# Altium PCB Main.PcbDoc
Units mil, origin at the board's own origin, x right, y up, seen from the top; angles counter-clockwise.
Board outline 2000 x 2350 mil, 2 copper layers (Top Layer, Bottom Layer); 16 components, 10 nets, 144 pads, 0 vias.
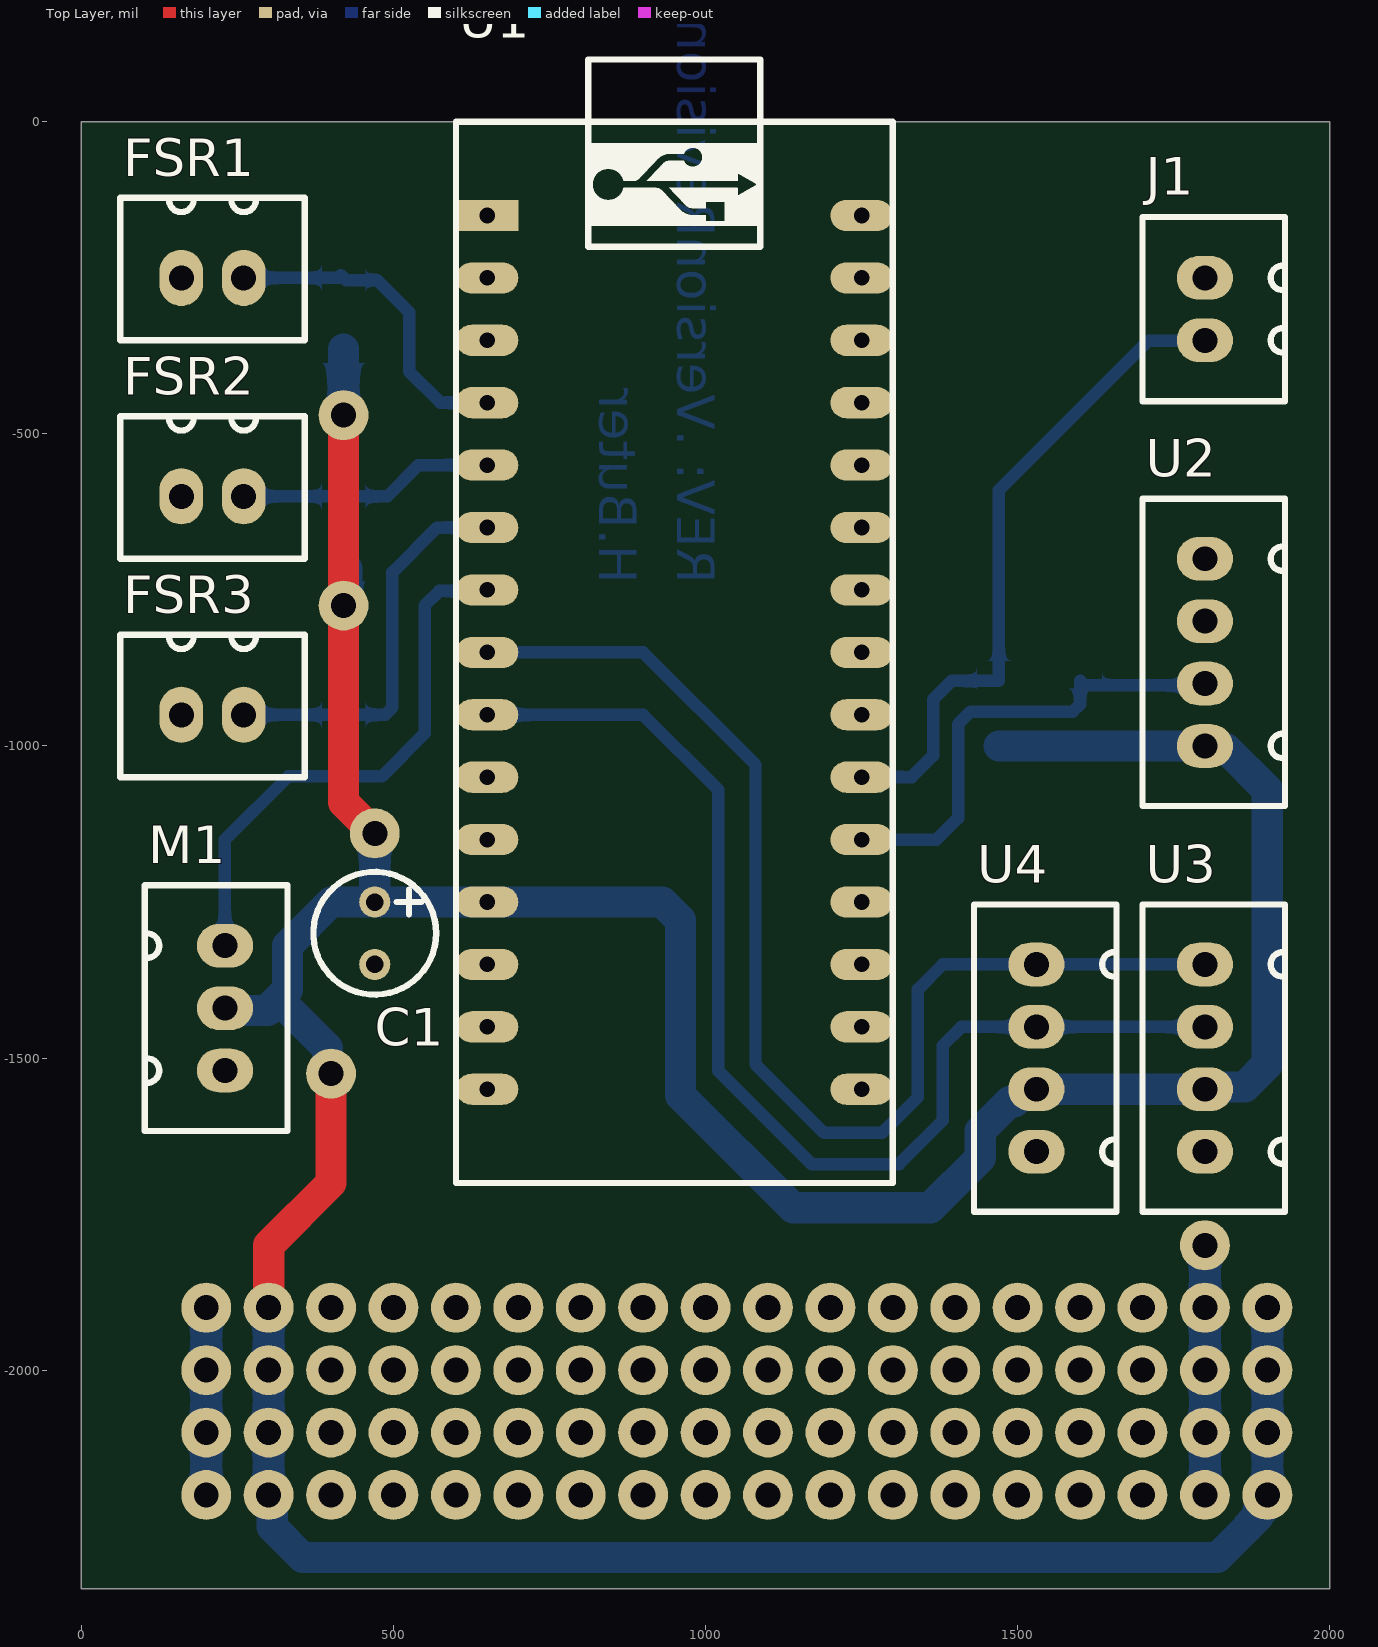
[diagram p0: Top Layer view]
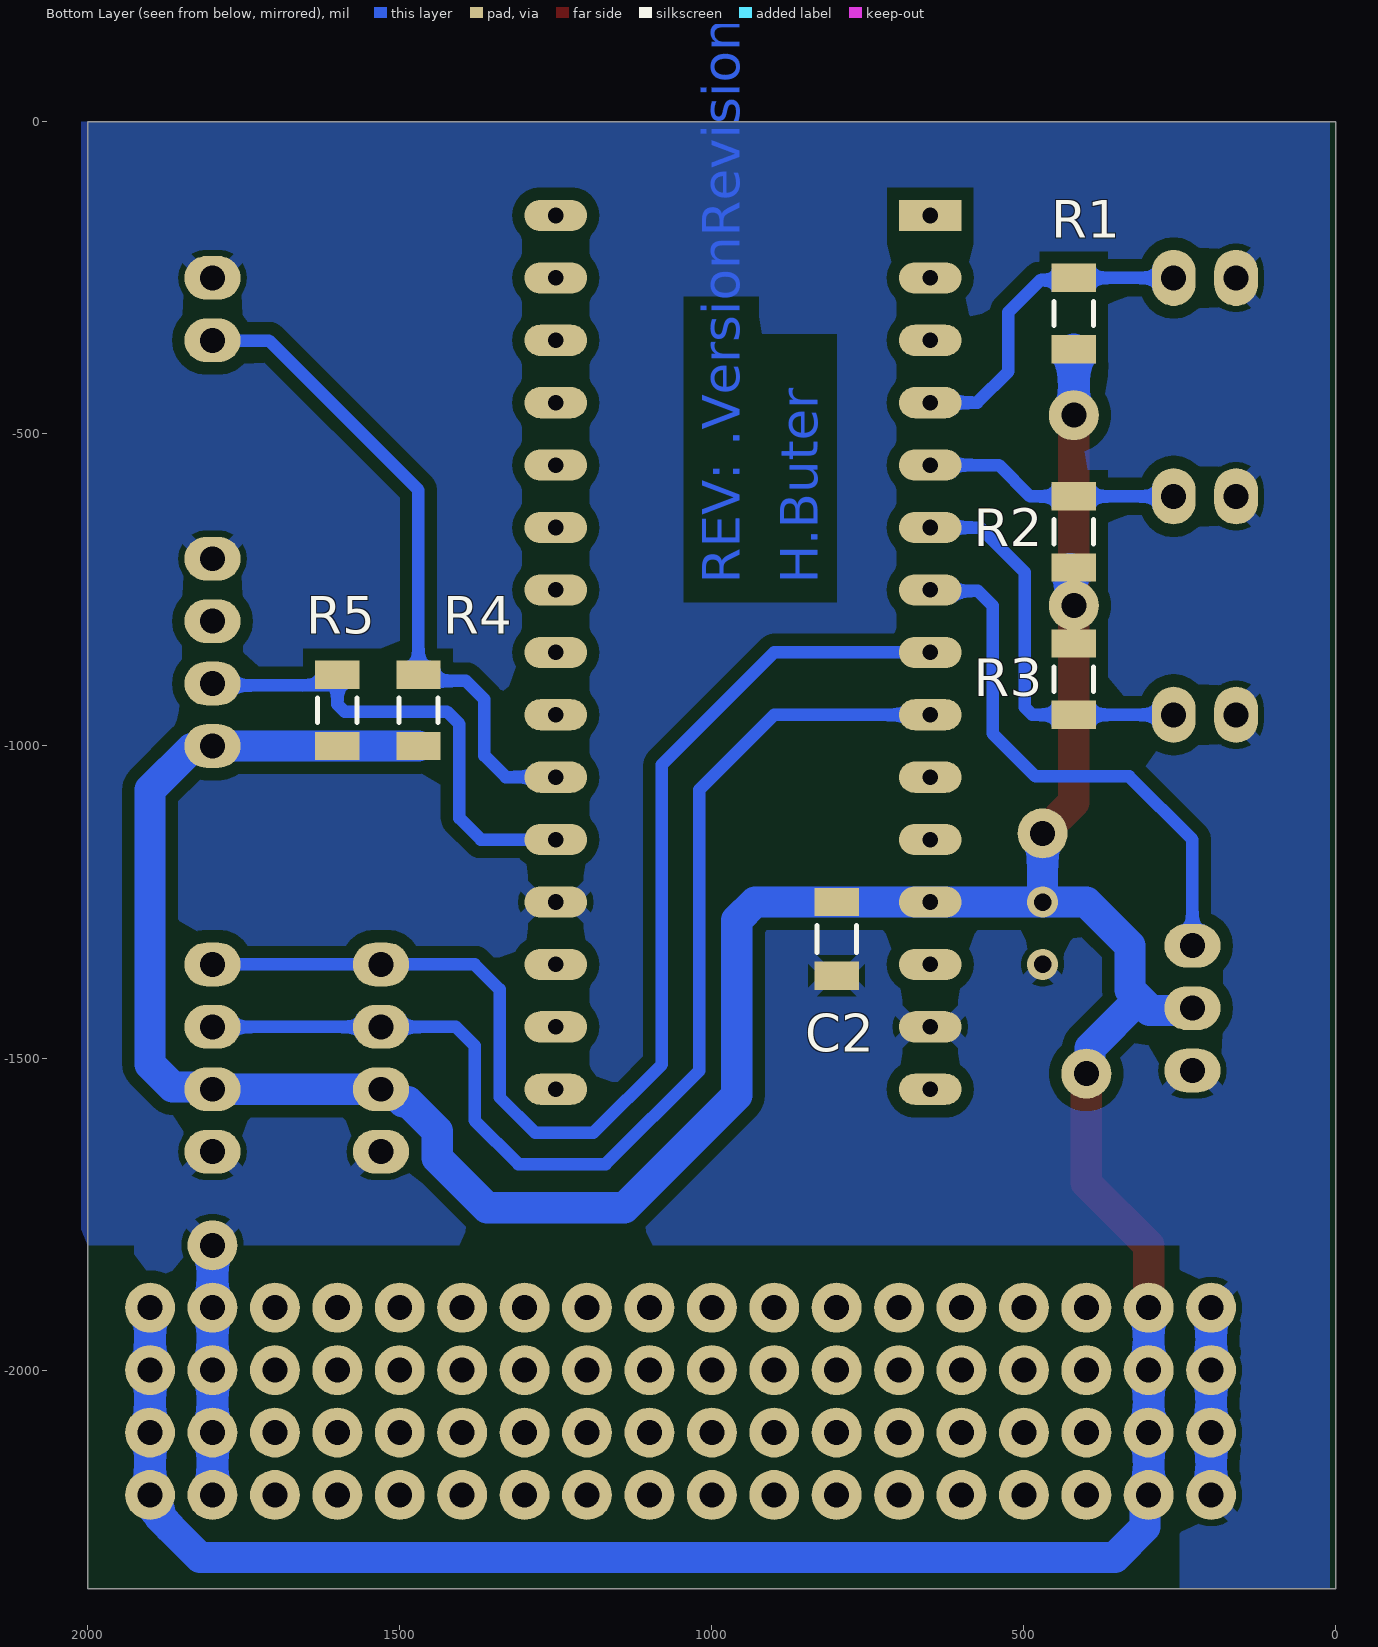
[diagram p1: Bottom Layer view, seen from below]

## Layer stack, top to bottom
Top Layer: signal copper 1.378
Dielectric 1: dielectric 12.6, FR-4, Dk 4.8
Bottom Layer: signal copper 1.4

## Board outline
0,-2350 0,0 2000,0 2000,-2350

## Design rules (kind name [scope] priority, off if disabled: settings)
Clearance [All] p1: gap=20 ignorepadtopadclearanceinfootprint=FALSE
PolygonConnect [All] p1: connectstyle=Relief reliefconductorwidth=20 reliefentries=4 polygonreliefangle="45 Angle" airgapwidth=10
RoutingLayers [All] p1: top layer_v5=FALSE bottom layer_v5=TRUE
RoutingVias [All] p1: holewidth=28 width=50 viastyle="Through Hole" minholewidth=28 minwidth=50 maxholewidth=28 maxwidth=50
SolderMaskExpansion [All] p1: expansion=4 istentingtop=FALSE
SupplyNets "Schematic Supply Nets_2" [InNet('GND')] p1: voltage=0.000
SupplyNets "Schematic Supply Nets" [InNet('+5')] p2: voltage=0.000
Width Power [InNetClass('Power')] p1: maxlimit=50 minlimit=50 preferedwidth=50
Width Signal [InNetClass('Signals')] p2: maxlimit=20 minlimit=20 preferedwidth=20
29 further rules are at their usual default settings.

## Classes and differential pairs
net class Signals: FSR-1 FSR-2 FSR-3 NetJ1_1 NetR5_1 SCL SDA Vout
net class Power: +5 GND
component class Designator: FSR1 FSR2 FSR3 M1 R1 R2 R3 R5 U2 U3 U4
component class Main: C1 C2 J1 R4 U1

## Components (designator, comment, footprint, x,y, rotation, side; value= is the part's Value field where it differs from the comment)
C1 "100u" "Cap 100uF 16V 5x12mm" 470,-1250 r270 top
C2 "100nF" C1206 800,-1309.06 r90 bottom
FSR1 "FSR" "JST-XH 2pin" 260,-250 r90 top locked
FSR2 "FSR" "JST-XH 2pin" 260,-600 r90 top locked
FSR3 "FSR" "JST-XH 2pin" 260,-950 r90 top locked
J1 "REQ-RPI" "JST-XH 2pin" 1800,-350 r0 top locked
M1 "Moisture" "JST-XH 3PIN" 230,-1320 r180 top locked
R1 "1K" R1206 420,-307.09 r270 bottom
R2 "1K" R1206 420,-657.09 r270 bottom
R3 "1K" R1206 420,-892.91 r90 bottom
R4 "1K" R1206 1470,-942.91 r270 bottom
R5 "1K" R1206 1600,-942.91 r270 bottom
U1 "Arduino Nano" "Arduino Nano" 650,-150 r0 top locked
U2 "DHT22" "JST-XH 4PIN" 1800,-1000 r0 top locked
U3 "MLX90614" "JST-XH 4PIN" 1800,-1650 r0 top locked
U4 "AGS02MA" "JST-XH 4PIN" 1530,-1650 r0 top locked

## Footprints (in the part's own frame and the unit in brackets; to place one, negate y for a bottom-side part, rotate by r counter-clockwise, add the part's x,y. Pads: shape width x height; smd on the part's side, far side on the other; paste and mask are expansions set on the pad)
"Arduino Nano" [mil] "Arduino Nano"
  rect 100x50 hole 25: 1(0,0)
  oval 100x50 hole 25: 2(0,-100) 3(0,-200) 4(0,-300) 5(0,-400) 6(0,-500) 7(0,-600) 8(0,-700) 9(0,-800) 10(0,-900) 11(0,-1000) 12(0,-1100) 13(0,-1200) 14(0,-1300) 15(0,-1400) 16(600,-1400) 17(600,-1300) 18(600,-1200) 19(600,-1100) 20(600,-1000) 21(600,-900) 22(600,-800) 23(600,-700) 24(600,-600) 25(600,-500) 26(600,-400) 27(600,-300) 28(600,-200) 29(600,-100) 30(600,0)
  silkscreen extent -50,-1550 650,250, body extent -54,-1550 654,221, height 496
C1206 [mm] "Chip Capacitor, Body 3.2x1.6mm, Height 1.7mm, IPC Medium Density"
  rect 1.15x1.8 smd: 1(-1.5,0) 2(1.5,0)
  silkscreen extent -0.55,-0.8 0.55,0.8, body extent -1.7,-0.9 1.7,0.9, height 1.7
"Cap 100uF 16V 5x12mm" [mil]
  round 50 hole 28: 1(0,0) 2(100,0)
  silkscreen extent -48,-98 148,98
"JST-XH 2pin" [mil]
  oval 90x70 hole 40: 1(0,0) 2(0,100)
  silkscreen extent -100,-98 128,198, body extent -100,-99 124,198, height 276
"JST-XH 3PIN" [mil]
  oval 90x70 hole 40: 1(0,0) 2(0,100) 3(0,200)
  silkscreen extent -100,-97 128,297, body extent -100,-99 124,298, height 276
"JST-XH 4PIN" [mil]
  oval 90x70 hole 40: 1(0,0) 2(0,100) 3(0,200) 4(0,300)
  silkscreen extent -100,-96 128,396, body extent -100,-99 124,398, height 276
R1206 [mm] "Chip Resistor, Body 3.2x1.6mm, IPC Medium Density"
  rect 1.15x1.8 smd: 1(-1.45,0) 2(1.45,0)
  silkscreen extent -0.5,-0.8 0.5,0.8, body extent -1.67,-0.87 1.67,0.87, height 0.75

## Part data
C1: library part "Cap 100uF 16V 5x12mm", "Cap 100uF 16V 5x12mm"
C2: library part Capacitor_1206, "SMD Capacitor 1206", LatestRevisionDate=03-11-2016, LatestRevisionNote=Creation, PackageDescription="Chip Capacitor, Body 3.2x1.6mm, Height 1.7mm, IPC Medium Density", PackageReference=C1206, Published=03-11-2016, Publisher=Windesheim
FSR1 FSR2 FSR3: "2 pin JST connector"
J1: "Request connection to Raspberry Pi"
R1 R2 R3 R4 R5: library part Resistor_1206, "SMD Resistor 1206", LatestRevisionDate=03-11-2016, LatestRevisionNote=Creation, PackageDescription="Chip Resistor, Body 3.2x1.6mm, IPC Medium Density", PackageReference=R1206, Published=03-11-2016, Publisher=Windesheim
U2: "https://www.tinytronics.nl/en/sensors/air/humidity/dht22-thermometer-temperature-and-humidity-sensor"
U3: "https://www.tinytronics.nl/en/sensors/temperature/non-contact-ir-temperature-sensor-module-mlx90614-baa-90"

## Free pads (board coordinates)
  round 80 hole 40: 2(200,-2200) 2(200,-2100) 2(200,-2000) 2(200,-1900) 2(300,-2200) 2(300,-2100) 2(300,-2000) 2(300,-1900) 2(400,-2200) 2(400,-2100) 2(400,-2000) 2(400,-1900) 2(400,-1525) 2(420,-775) 2(420,-470) 2(470,-1140) 2(500,-2200) 2(500,-2100) 2(500,-2000) 2(500,-1900) 2(600,-2200) 2(600,-2100) 2(600,-2000) 2(600,-1900) 2(700,-2200) 2(700,-2100) 2(700,-2000) 2(700,-1900) 2(800,-2200) 2(800,-2100) 2(800,-2000) 2(800,-1900) 2(900,-2200) 2(900,-2100) 2(900,-2000) 2(900,-1900) 2(1000,-2200) 2(1000,-2100) 2(1000,-2000) 2(1000,-1900) 2(1100,-2200) 2(1100,-2100) 2(1100,-2000) 2(1100,-1900) 2(1200,-2200) 2(1200,-2100) 2(1200,-2000) 2(1200,-1900) 2(1300,-2200) 2(1300,-2100) 2(1300,-2000) 2(1300,-1900) 2(1400,-2200) 2(1400,-2100) 2(1400,-2000) 2(1400,-1900) 2(1500,-2200) 2(1500,-2100) 2(1500,-2000) 2(1500,-1900) 2(1600,-2200) 2(1600,-2100) 2(1600,-2000) 2(1600,-1900) 2(1700,-2200) 2(1700,-2100) 2(1700,-2000) 2(1700,-1900) 2(1800,-2200) 2(1800,-2100) 2(1800,-2000) 2(1800,-1900) 2(1800,-1800) 2(1900,-2200) 2(1900,-2100) 2(1900,-2000) 2(1900,-1900)

## Nets (pads, with @x,y where several pads share a name; then routed paths per layer and width w, separated by ;. In a path a pad name is that pad's centre, name@x,y a point inside that pad or via, vN(x,y) a via of type N, cw(c..) or ccw(c..) an arc to the next point about the centre after c; other vN are vias at no path point)
+5: C1.1 C2.2 M1.2 pad.2@300,-1900 pad.2@300,-2000 pad.2@300,-2100 pad.2@300,-2200 pad.2@400,-1525 pad.2@420,-470 pad.2@420,-775 pad.2@470,-1140 pad.2@1900,-1900 pad.2@1900,-2000 pad.2@1900,-2100 pad.2@1900,-2200 R1.2 R2.2 R3.2 R4.2 R5.2 U1.12 U2.1 U3.2 U4.2 | length 7024.2
  Top Layer w50: pad.2@300,-1900 300,-1800 400,-1700 pad.2@400,-1525 ; pad.2@420,-470 420,-775 420,-1090 pad.2@470,-1140
  Bottom Layer w50: M1.2 233.83,-1423.83 298.83,-1423.83 ; pad.2@300,-1900 300,-2000 300,-2100 300,-2200 305.74,-2205.74 305.74,-2251.45 354.29,-2300 1820.21,-2300 1885,-2235.21 1885,-2223.12 1900,-2208.12 1900,-2200 1900,-2100 1900,-2000 pad.2@1900,-1900 ; 300.71,-1420 330,-1390.71 330,-1320 400,-1250 C1.1 ; 315.36,-1405.36 394.26,-1484.26 394.26,-1519.26 pad.2@400,-1525 ; pad.2@420,-775 425.74,-769.26 R2.2@425.74,-715.97 ; pad.2@420,-470 R1.2 ; pad.2@470,-1140 C1.1 ; R4.2 R5.2 U2.1 1803.83,-1003.83 1833.83,-1003.83 1900,-1070 1900,-1510 1863.83,-1546.17 1805.41,-1546.17 1800,-1540.76 1790.76,-1550 U4.2@1539.24,-1550 ; U4.2 1514.59,-1550 1494.59,-1570 1486.86,-1570 1440,-1616.86 1440,-1660 1360,-1740 1140,-1740 960,-1560 960,-1279.29 930.71,-1250 840,-1250 U1.12 C1.1
FSR-1: FSR1.1 R1.1 U1.4 | length 534.7
  Bottom Layer w20: FSR1.1 R1.1 ; R1.1@415.71,-245.44 423.99,-253.72 473.72,-253.72 525,-305 525,-400 575,-450 U1.4
FSR-2: FSR2.1 R2.1 U1.5 | length 412
  Bottom Layer w20: FSR2.1@258.69,-600 490,-600 540,-550 U1.5
FSR-3: FSR3.1 R3.1 U1.6 | length 647.7
  Bottom Layer w20: FSR3.1@253.4,-950 486.57,-950 498.28,-938.28 498.28,-721.72 570,-650 U1.6
GND: C1.2 C2.1 FSR1.2 FSR2.2 FSR3.2 J1.2 M1.3 pad.2@200,-1900 pad.2@200,-2000 pad.2@200,-2100 pad.2@200,-2200 pad.2@1800,-1800 pad.2@1800,-1900 pad.2@1800,-2000 pad.2@1800,-2100 pad.2@1800,-2200 U1.14 U1.19 U2.4 U3.1 U4.1 | length 700
  Bottom Layer w50: pad.2@200,-2200 200,-2100 200,-2000 pad.2@200,-1900 ; pad.2@1800,-2200 1800,-2100 1800,-2000 1800,-1900 pad.2@1800,-1800
NetJ1_1: J1.1 R4.1 U1.21 | length 1071.8
  Bottom Layer w20: U1.21 1330,-1050 1364.57,-1015.43 1364.57,-925.43 1394.17,-895.83 1470,-895.83 1470,-590 1709.57,-350.43 1799.57,-350.43 J1.1
NetR5_1: R5.1 U1.20 U2.2 | length 761.3
  Bottom Layer w20: U1.20 1370,-1150 1404.57,-1115.43 1404.57,-964.94 1424.5,-945 1588.28,-945 1600,-933.28 1600,-895.83 1607.09,-902.91 1782.91,-902.91 U2.2@1790,-910
SCL: U1.9 U3.3 U4.3 | length 1853.7
  Bottom Layer w20: 700,-950 900,-950 1020,-1070 1020,-1520 1170,-1670 1310,-1670 1380,-1600 1380,-1480 1410,-1450 U4.3 U3.3@1830.4,-1450
SDA: U1.8 U3.4 U4.4 | length 1967.8
  Bottom Layer w20: U1.8 900,-850 1080,-1030 1080,-1510 1190,-1620 1282.78,-1620 1340,-1562.78 1340,-1390 1380,-1350 U4.4 U3.4 U3.4@1804.64,-1350
Vout: M1.1 U1.7 | length 875.8
  Bottom Layer w20: M1.1 230,-1150 331.4,-1048.6 481.4,-1048.6 550,-980 550,-775 573.61,-751.39 648.61,-751.39 U1.7
pads on no net: U1.1 U1.2 U1.3 U1.10 U1.11 U1.13 U1.15 U1.16 U1.17 U1.18 U1.22 U1.23 U1.24 U1.25 U1.26 U1.27 U1.28 U1.29 U1.30 U2.3

## Polygon pours and split planes (outlines as drawn)
GND on Bottom Layer "GND_L02_P000" (solid, remove dead copper, pour order 0): 10,-2350 10,0 2010,0 2010,-2350

## Other copper
Bottom Layer:
  pour cut-out: 1925,-2350 2000,-2350 2000,-1800 1925,-1800
  pour cut-out: 250,-2350 1750,-2350 1750,-1800 250,-1800
  text "H.Buter" at 830.02,-740 h60 r270
  text "REV: .VersionRevision" at 955.02,-740 h60 r270

## Silkscreen, mask and mechanical layers (free items; w line width, h text height)
Mechanical 1:
  the board outline again, w10